# Altium PCB Control_Board.Pcbdoc (part 1 of 2)
Units mil, origin at the board's own origin, x right, y up, seen from the top; angles counter-clockwise.
Board outline 2965.03 x 3148.15 mil, 4 copper layers (Power, PGND, A_signal, Digital_signal), stack 23.756 mil thick; 180 components, 104 nets, 630 pads, 1414 vias.
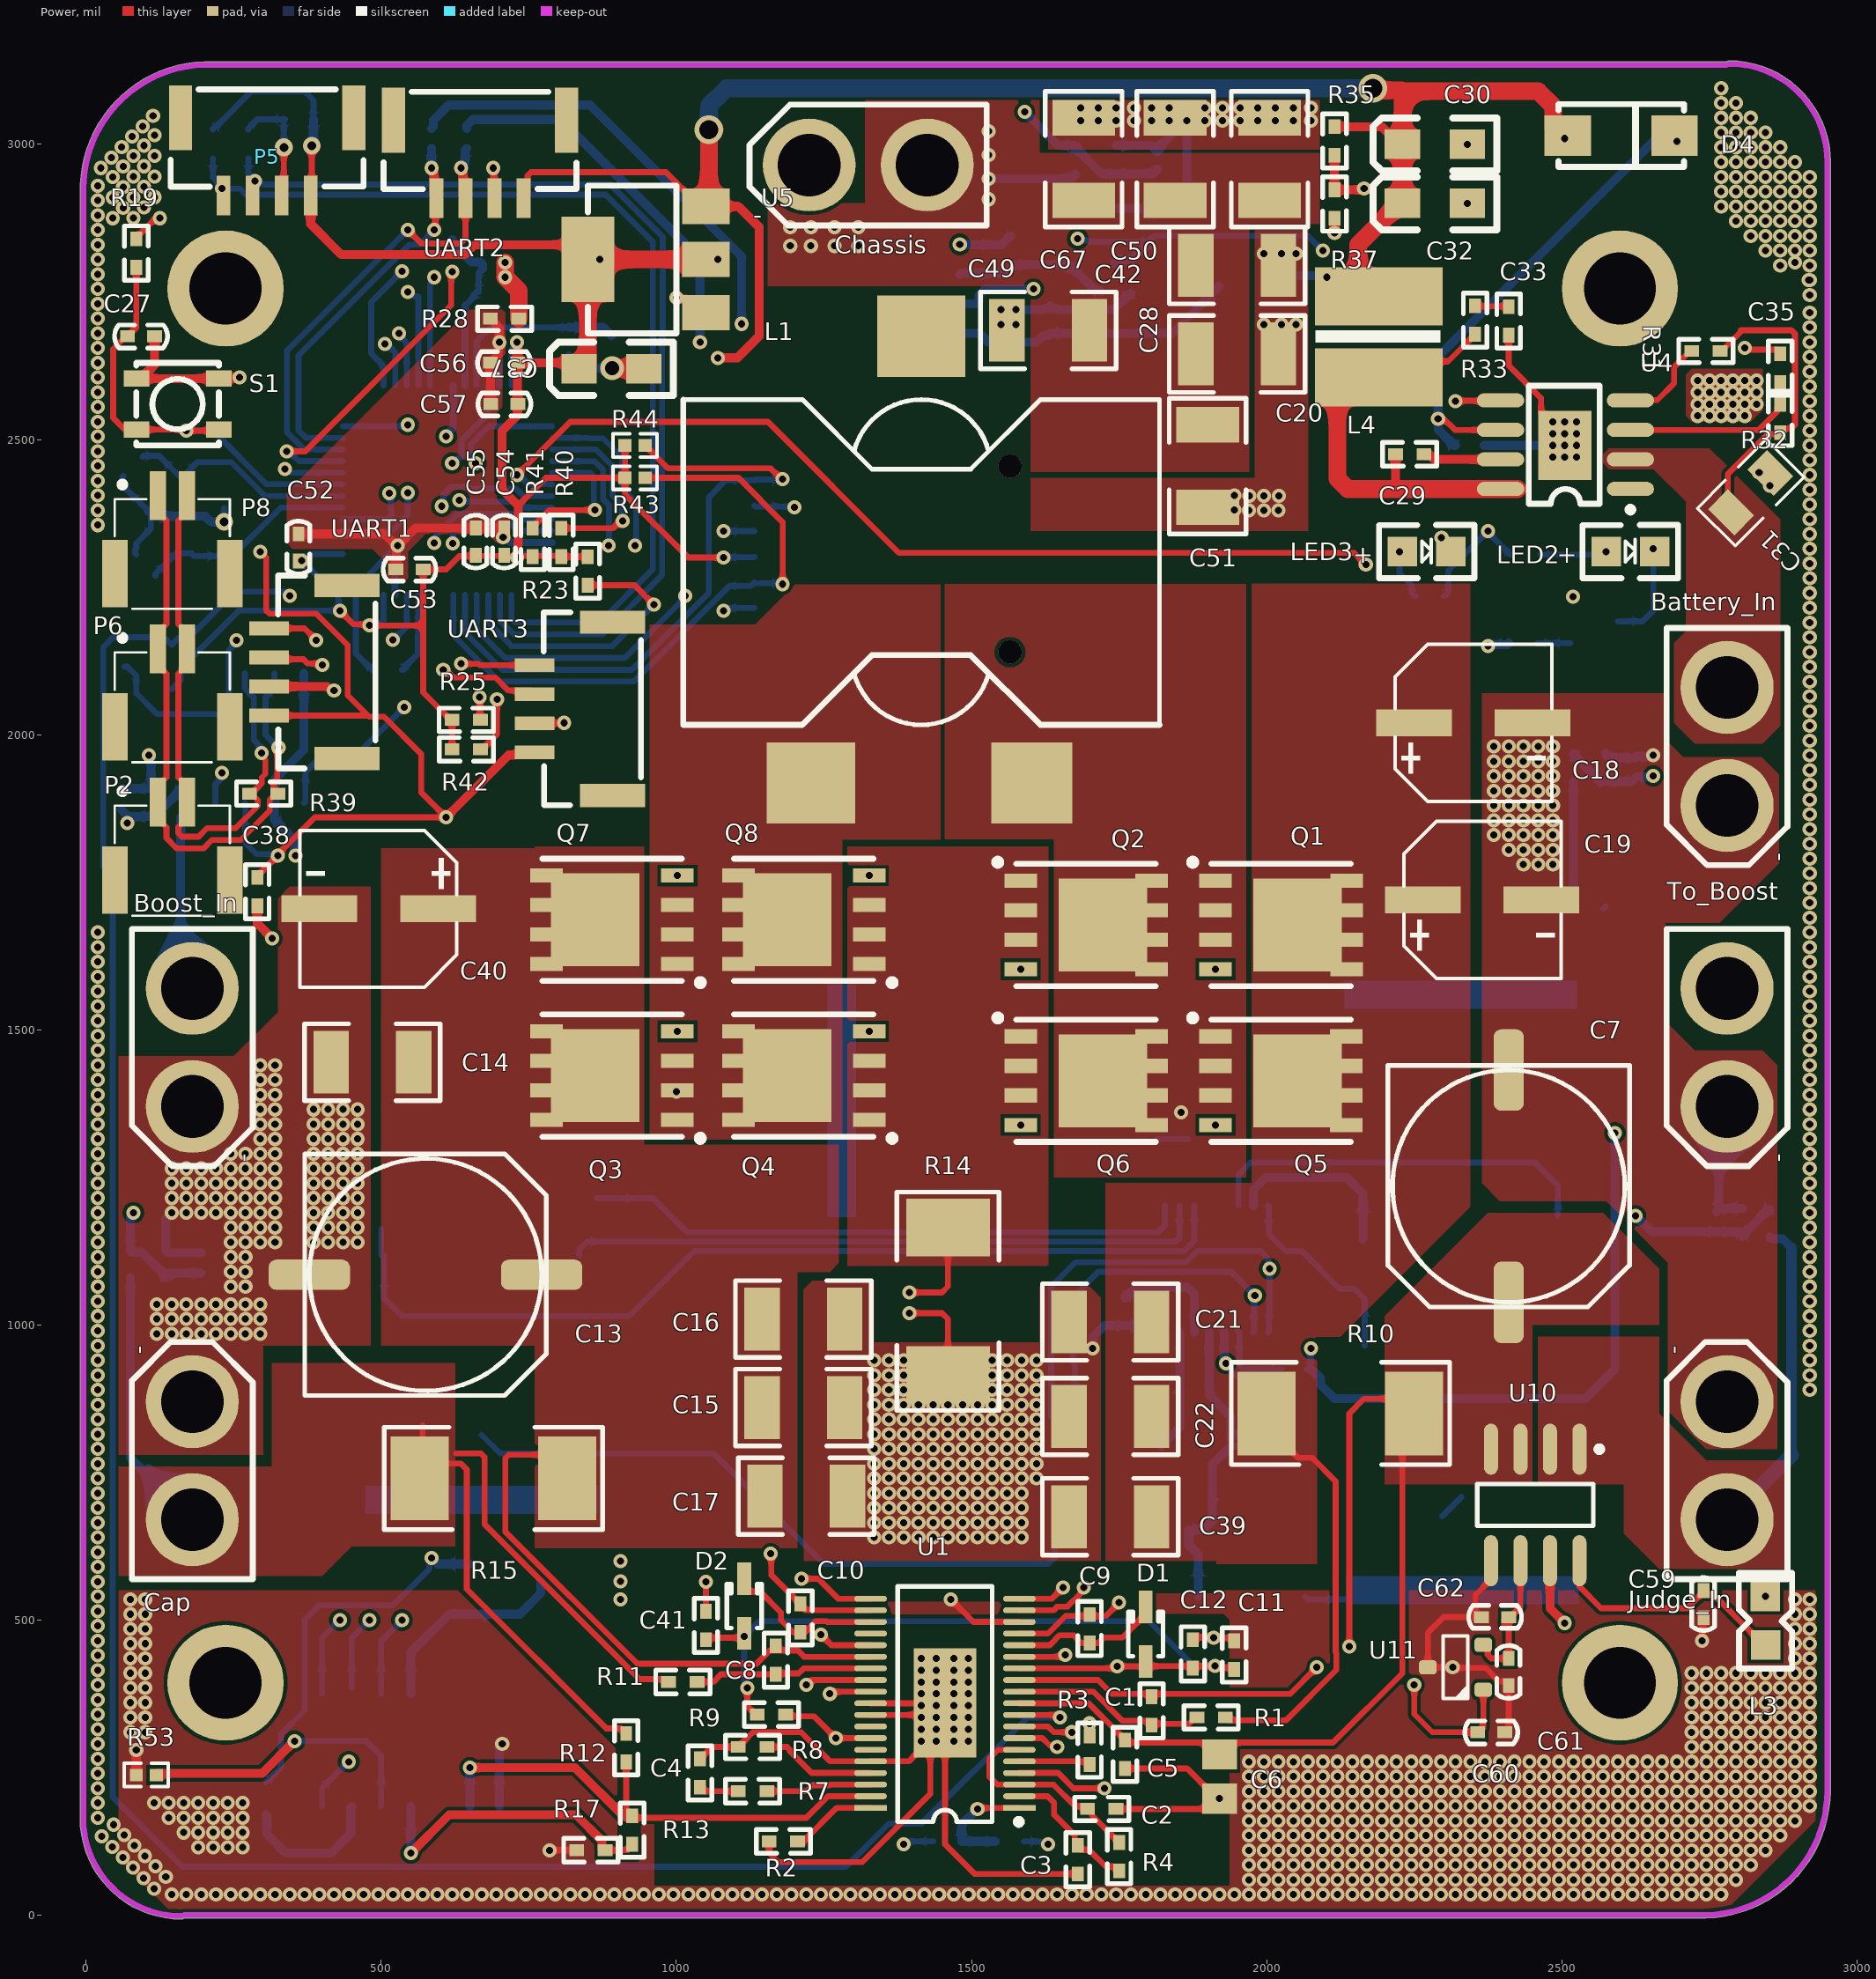
[diagram p0: Power view]
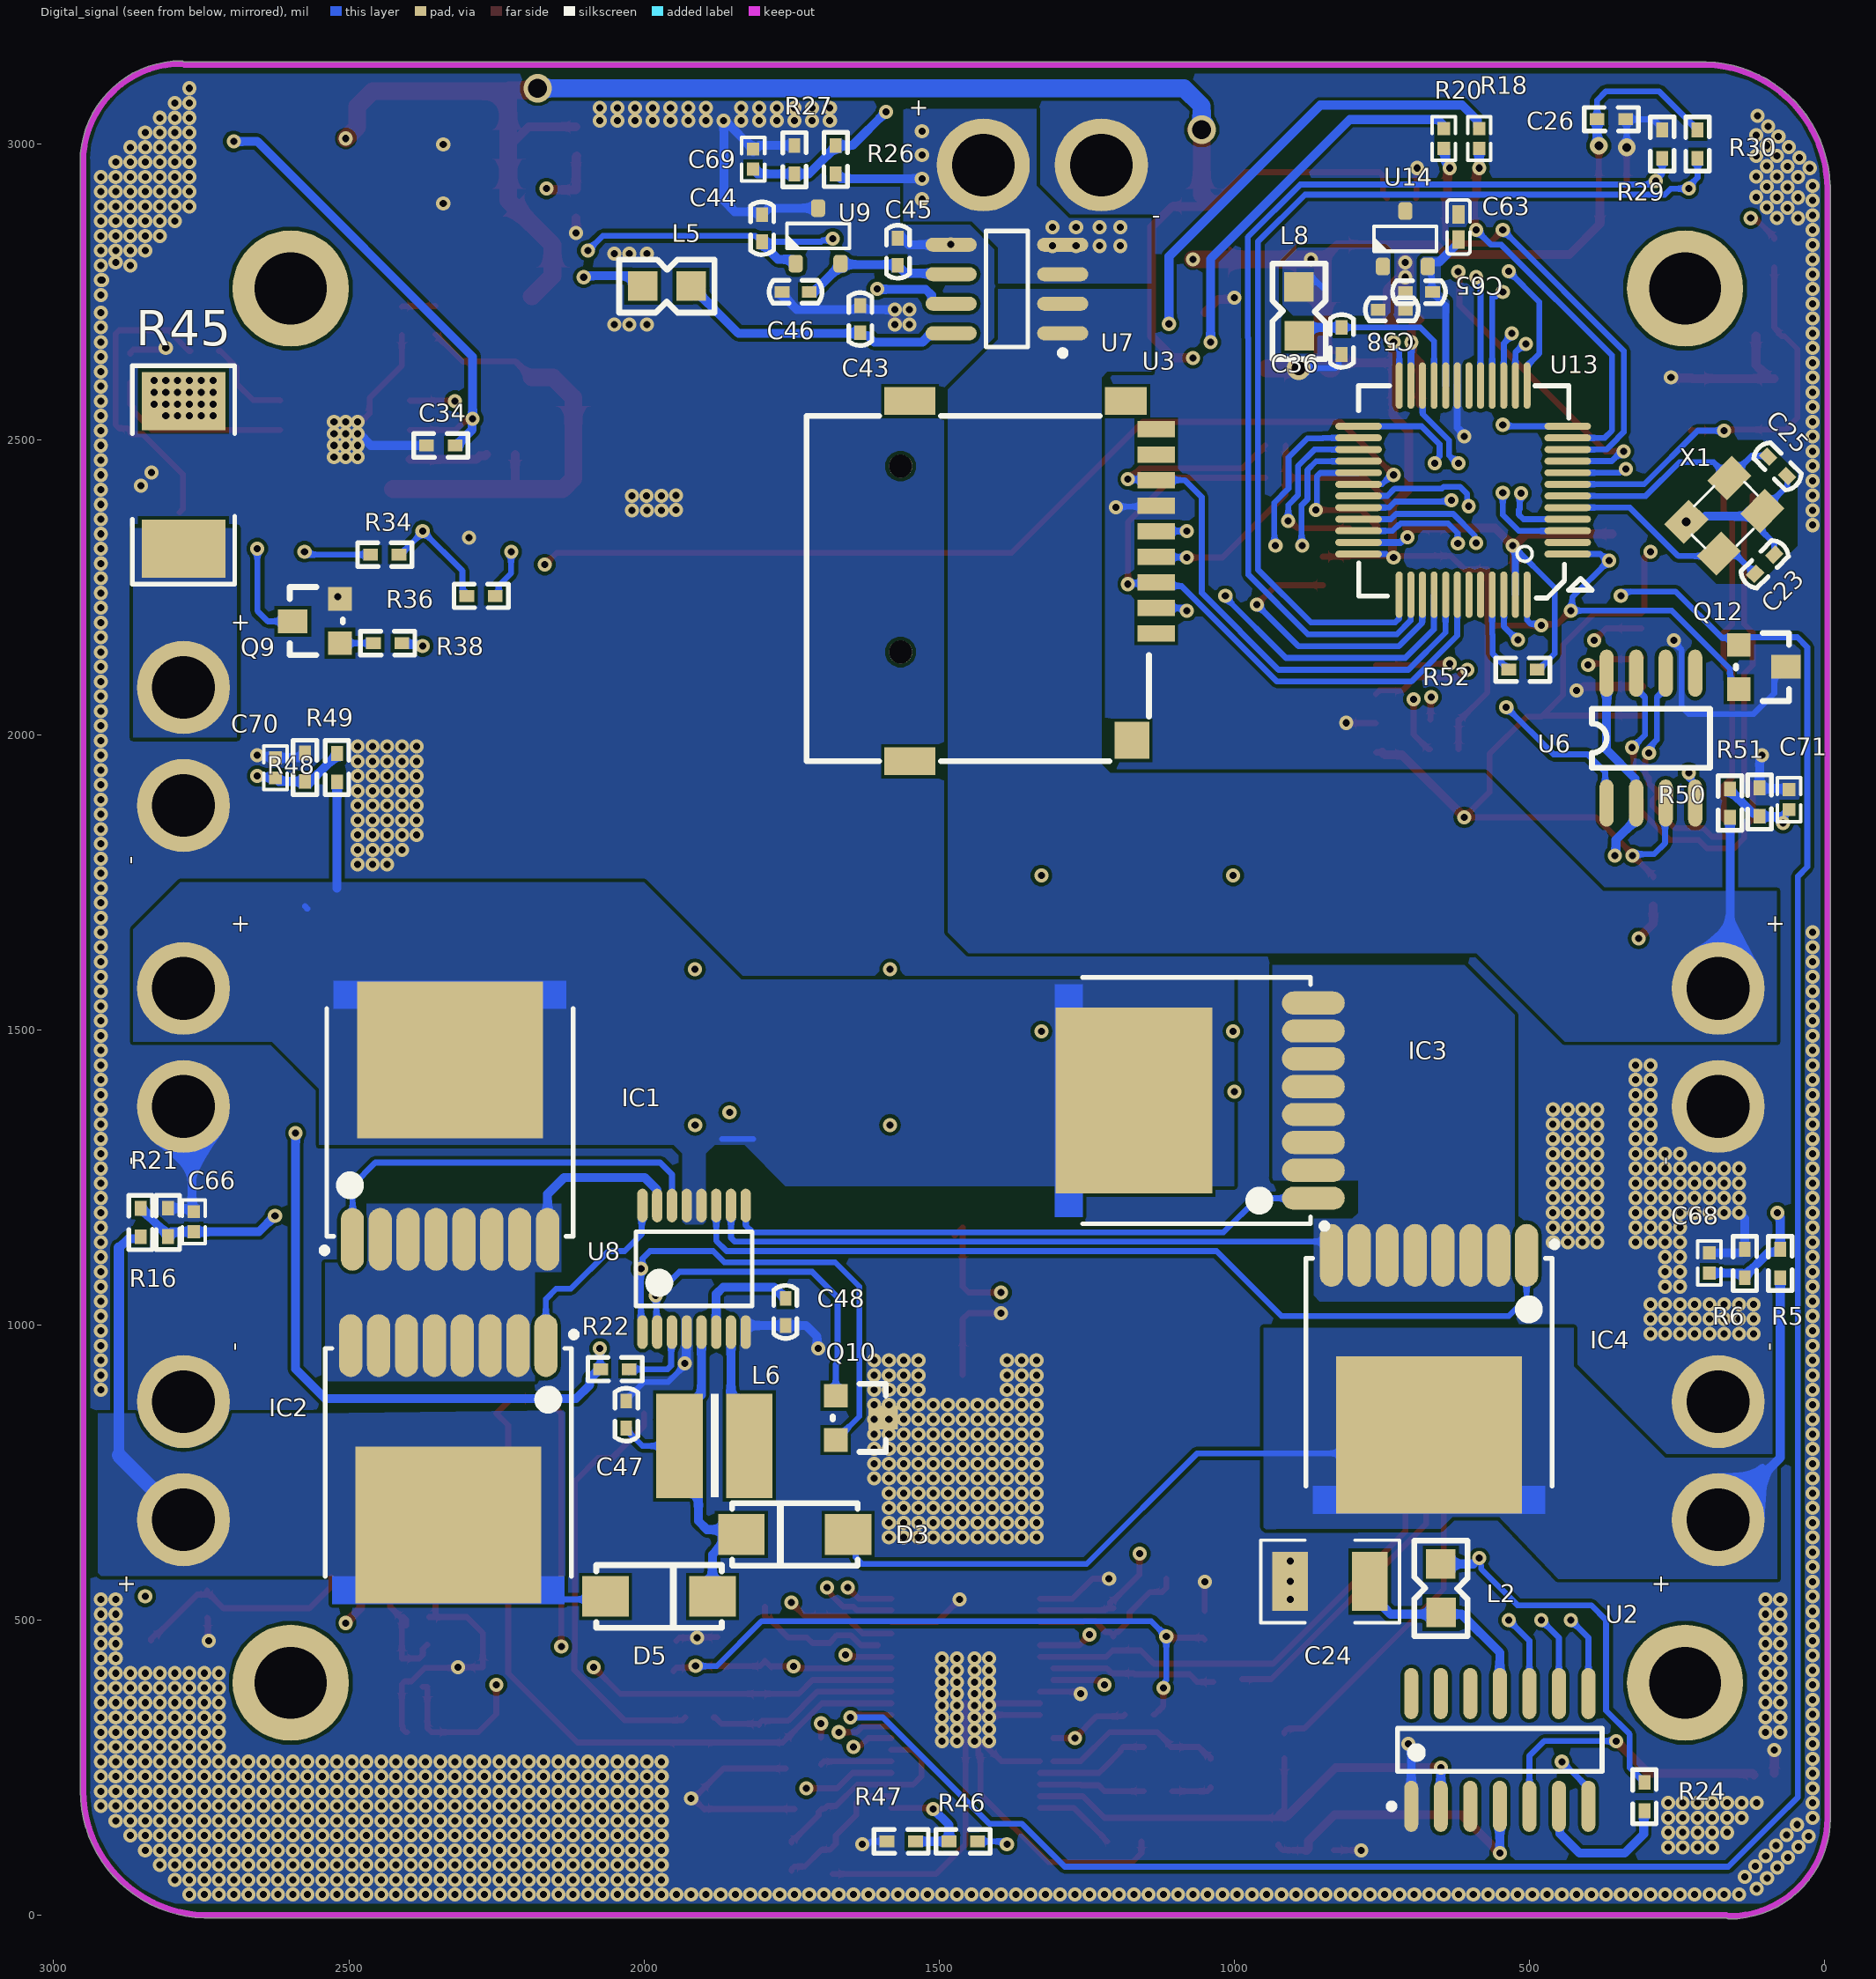
[diagram p1: Digital_signal view, seen from below]
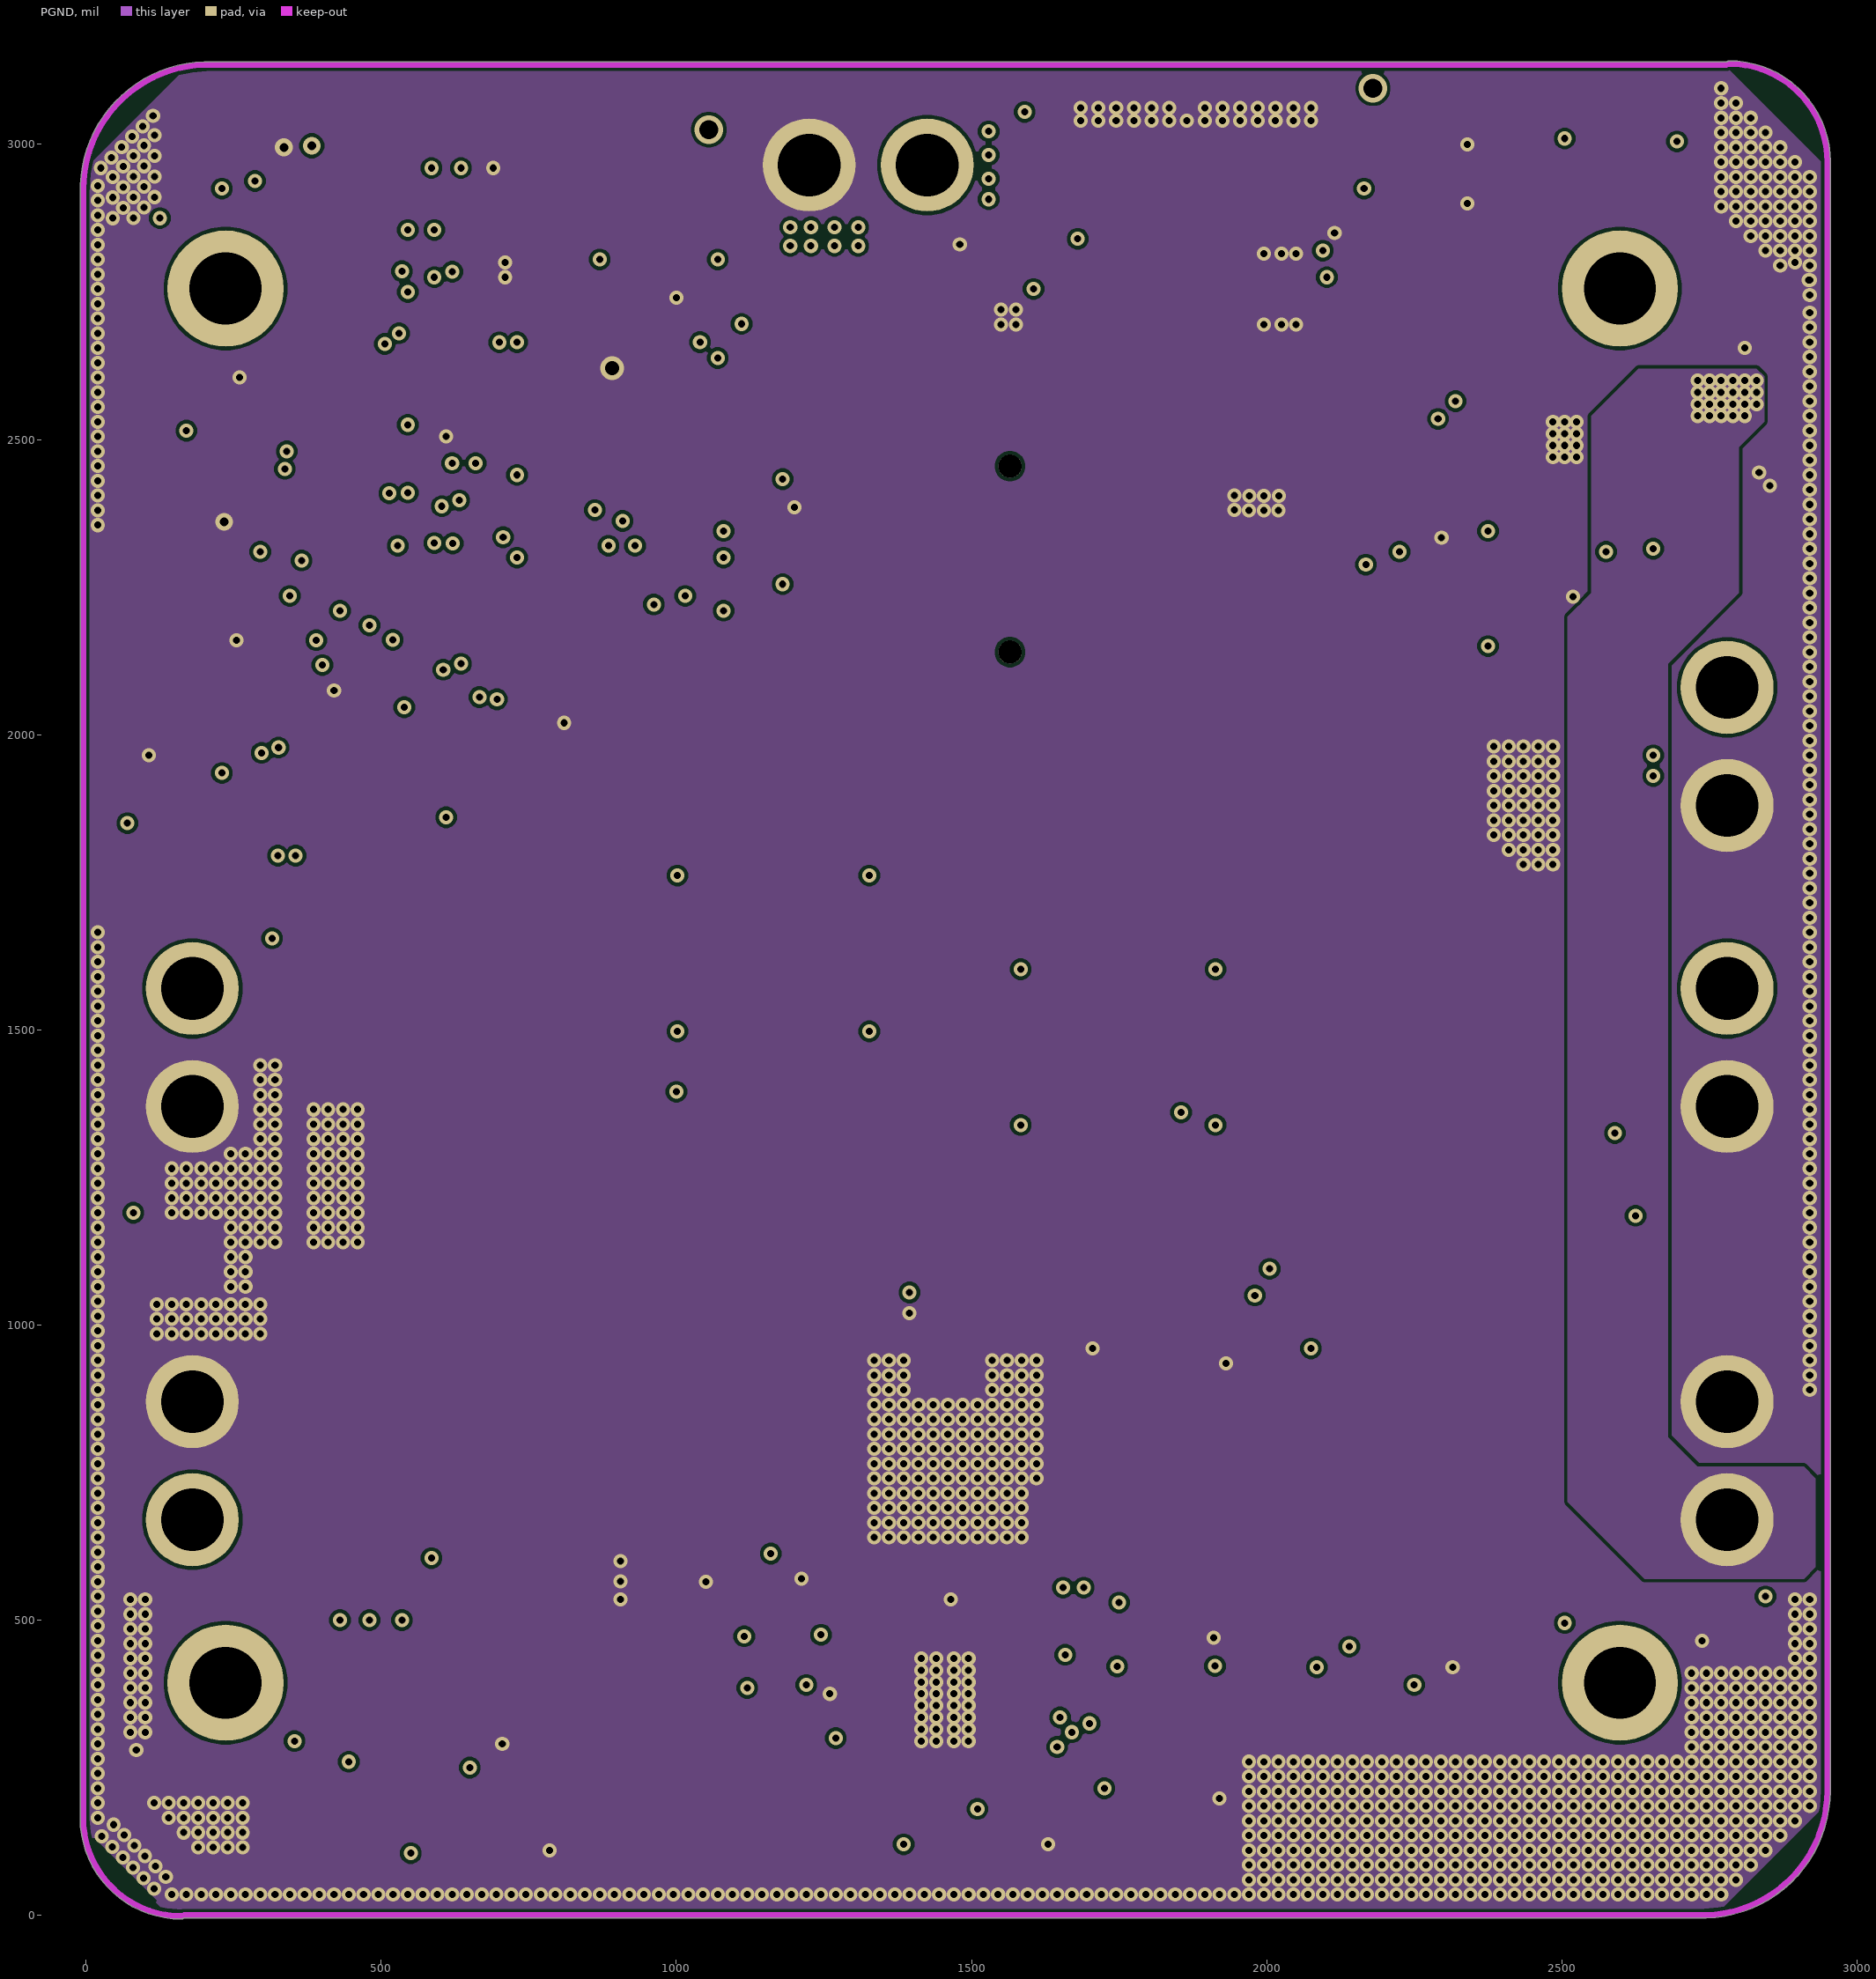
[diagram p2: PGND]